# Altium PCB MainBoard_Layout_V2.1.PcbDoc (part 2 of 3) (continued)
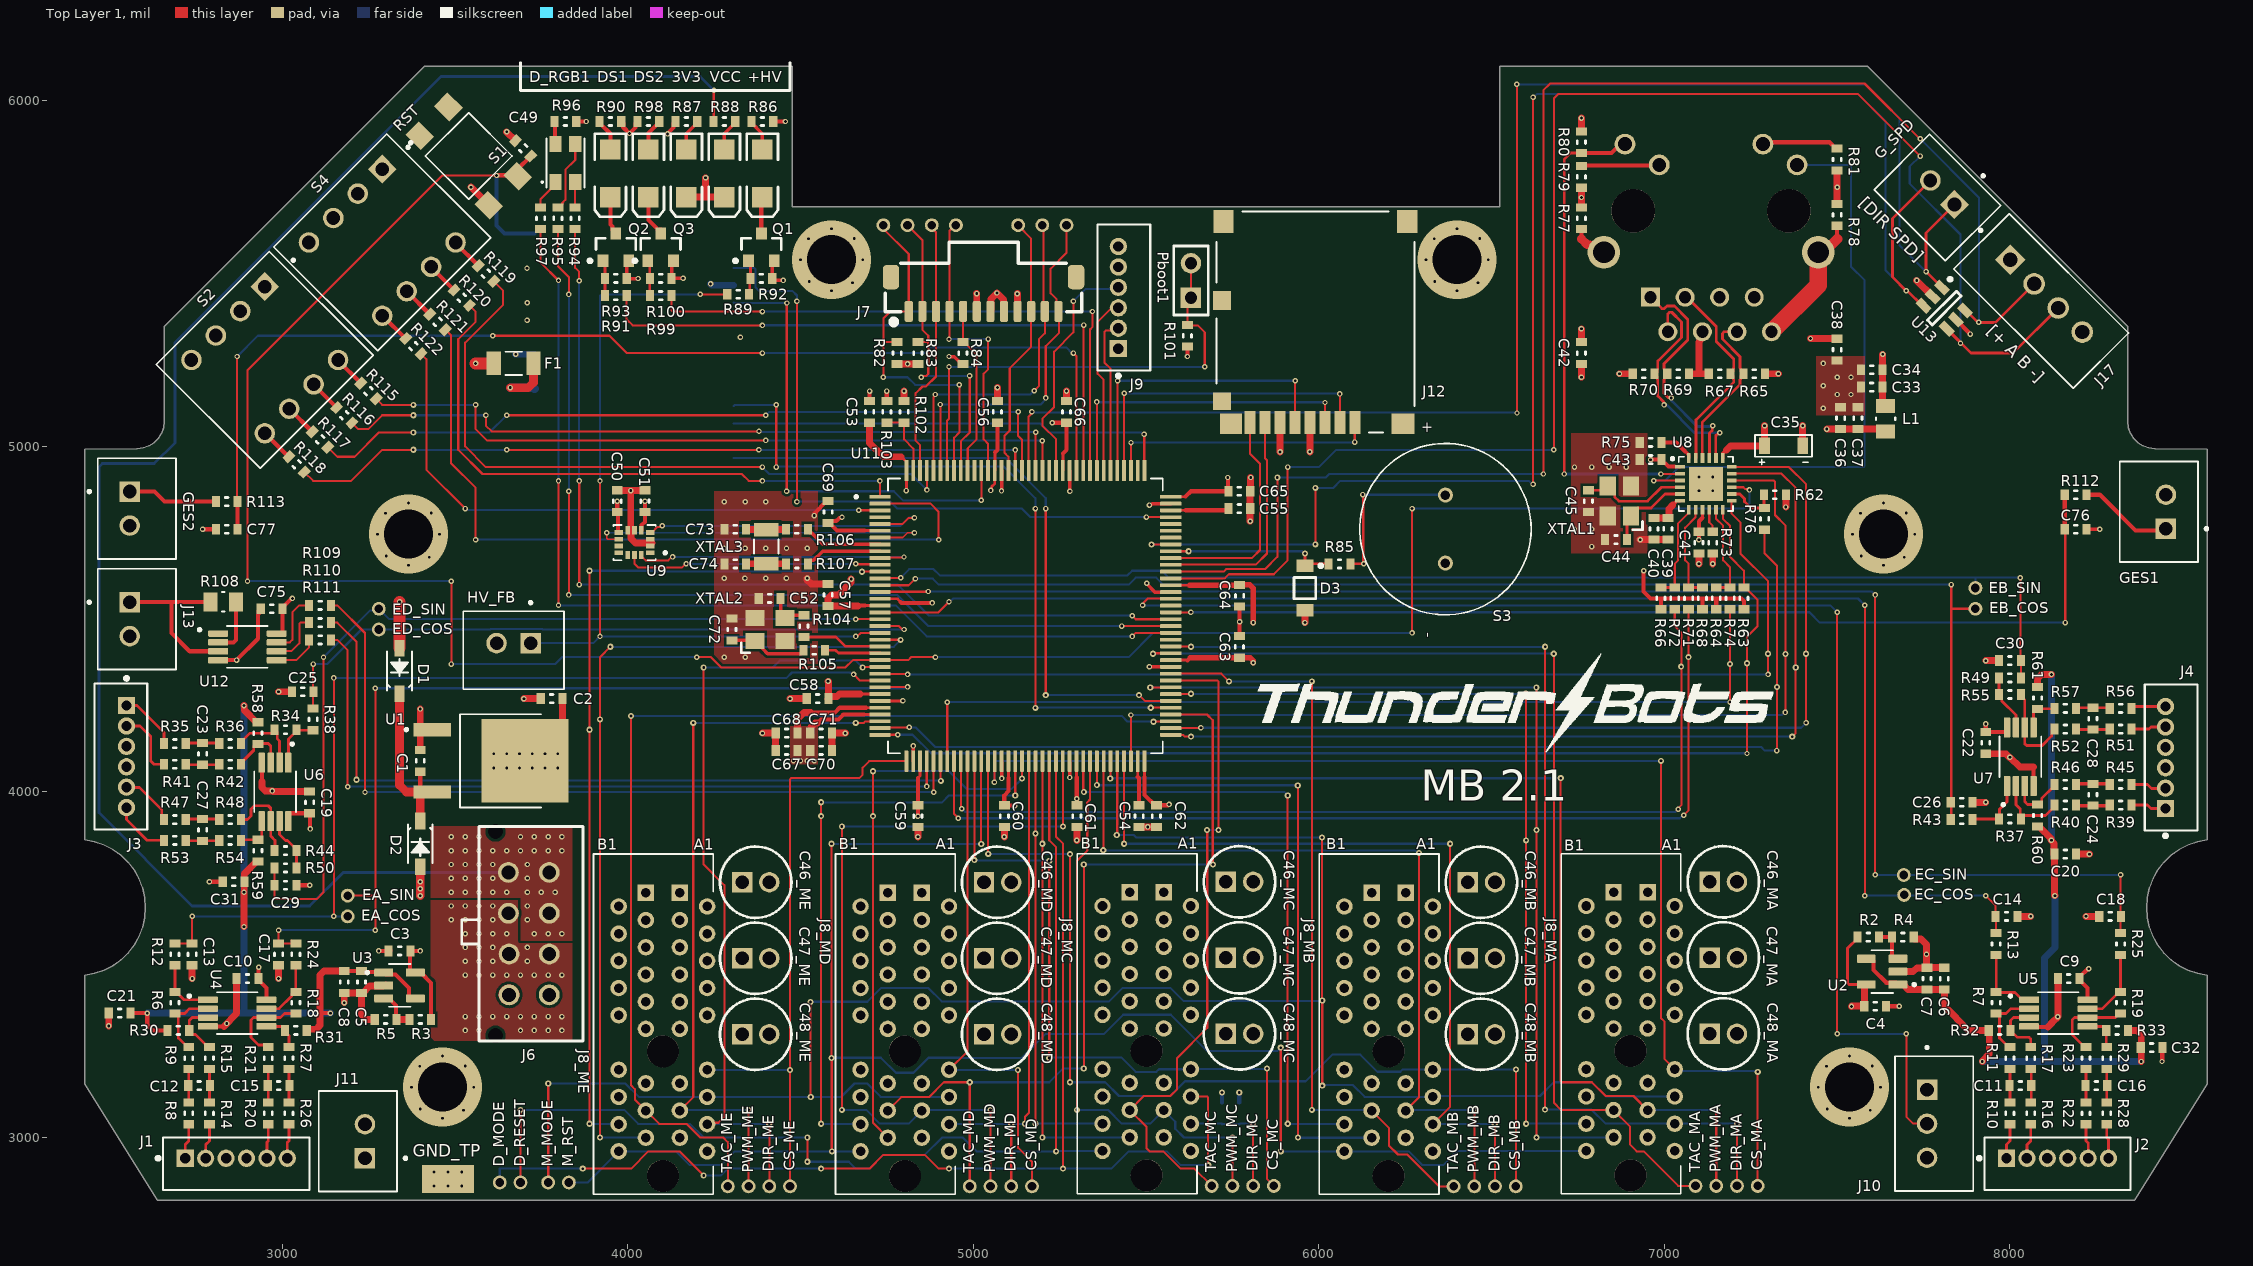
[diagram p0: Top Layer 1 view]
## Nets (pads, with @x,y where several pads share a name; then routed paths per layer and width w, separated by ;. In a path a pad name is that pad's centre, name@x,y a point inside that pad or via, vN(x,y) a via of type N, cw(c..) or ccw(c..) an arc to the next point about the centre after c; other vN are vias at no path point) (continued)
EC_COS: C14.1 EC_COS.1 R13.1 U11.18 | length 4187.1
  Top Layer 1 w6: U11.18@4731.02,4519.84 4731.5,4519.37 4899.37,4519.37 v1(4930,4550) ; v1(7580,3700) v1(7580,4540) ; v1(7930,3700) 7958.5,3671.5 C14.1@7958.5,3640 7960,3638.5 R13.1@7960,3591.5
  Bottom Layer 1 w6: v1(4930,4550) 4932.51,4550 4942.33,4559.81 7560.19,4559.81 v1(7580,4540) ; v1(7580,3700) EC_COS.1@7690,3700 ; EC_COS.1@7690,3702 EC_COS.1@7690,3700 ; v1(7930,3700) EC_COS.1@7690,3700
EC_SIN: C18.1 EC_SIN.1 R25.1 U11.15 | length 4584.9
  Top Layer 1 w6: U11.15@4731.02,4578.9 4731.34,4579.21 4869.21,4579.21 v1(4870,4580) ; v1(7610,3760) v1(7610,4570) ; R25.1@8320,3591.5 8320,3638.5 C18.1@8321.5,3640 8320,3641.5 v1(8320,3760)
  Bottom Layer 1 w6: v1(4870,4580) 7600,4580 v1(7610,4570) ; v1(7610,3760) EC_SIN.1@7690,3760 ; EC_SIN.1@7695.88,3762.59 EC_SIN.1@7693.29,3760 ; v1(8320,3760) EC_SIN.1@7693.29,3760 ; EC_SIN.1@7690,3760 EC_SIN.1@7693.29,3760 ; EC_SIN.1@7690,3760 7690,3756.71 EC_SIN.1@7693.29,3760
ED_COS: C25.1 ED_COS.1 R38.1 U11.20 | length 1953.9
  Top Layer 1 w6: R38.1@3090,4241.5 v1(3090,4370) ; U11.20@4731.26,4480.24 4785,4480.24 4795.23,4470 v1(4800,4470)
  Bottom Layer 1 w6: v1(3090,4370) 3130,4370 3230,4470 3602.76,4470 3603.99,4471.23 3753.4,4471.23 3754.63,4470 v1(4800,4470)
ED_SIN: C29.1 ED_SIN.1 R50.1 U11.19 | length 2599.2
  Top Layer 1 w6: R50.1@2978.5,3780 C29.1@2978.5,3730 2978.5,3693.51 2982.02,3690 3100,3690 3120,3710 v1(3120,4390) ; v1(4660,4500) 4660.08,4500.08 4730.94,4500.08 U11.19@4731.02,4500.16
  Bottom Layer 1 w6: v1(3120,4390) 3255.49,4525.49 3275.49,4525.49 ED_SIN.1@3280,4530 3310,4500 v1(4660,4500)
ENCA_COSN: J1.1 R8.2 | length 102.6
  Top Layer 1 w8: J1.1@2720,2940 2720,2980 2730,2990 R8.2@2730,3038.5
ENCA_COSP: J1.2 R14.2 | length 103
  Top Layer 1 w8: J1.2@2779.06,2940 2779.06,2979.06 2790,2990 R14.2@2790,3038.5
ENCA_SINN: J1.5 R20.2 | length 100.1
  Top Layer 1 w8: J1.5@2956.22,2940 2956.22,2986.22 2960,2990 R20.2@2960,3038.5
ENCA_SINP: J1.6 R26.2 | length 100.5
  Top Layer 1 w8: J1.6@3015.28,2940 3015.28,2985.28 3020,2990 R26.2@3020,3038.5
ENCB_COSN: J4.1 R39.2 | length 102.6
  Top Layer 1 w8: R39.2@8351.5,3961.89 8398.11,3961.89 8408.11,3951.89 J4.1@8450,3951.89
ENCB_COSP: J4.2 R45.2 | length 103.8
  Top Layer 1 w8: R45.2@8351.5,4021.89 8398.11,4021.89 8410,4010 8449.06,4010 J4.2@8450,4010.94
ENCB_SINN: J4.5 R51.2 | length 101.1
  Top Layer 1 w8: R51.2@8351.5,4181.89 8401.89,4181.89 8408.11,4188.11 J4.5@8450,4188.11
ENCB_SINP: J4.6 R56.2 | length 100.7
  Top Layer 1 w8: R56.2@8351.5,4241.89 8356.77,4247.17 J4.6@8450,4247.17
ENCC_COSN: J2.1 R10.2 | length 102.6
  Top Layer 1 w8: J2.1@7990,2940 7990,2980 8000,2990 R10.2@8000,3038.5
ENCC_COSP: J2.2 R16.2 | length 103
  Top Layer 1 w8: J2.2@8049.06,2940 8049.06,2979.06 8060,2990 R16.2@8060,3038.5
ENCC_SINN: J2.5 R22.2 | length 101.1
  Top Layer 1 w8: R22.2@8220,3038.5 8220,2990 8226.22,2983.78 J2.5@8226.22,2940
ENCC_SINP: J2.6 R28.2 | length 100.7
  Top Layer 1 w8: R28.2@8280,3038.5 8280,3000 8285.28,2994.72 J2.6@8285.28,2940
ENCD_COSN: J3.1 R35.2 | length 172.5
  Top Layer 1 w8: J3.1@2550,4250 2580,4250 2658.5,4171.5 R35.2@2658.5,4140
ENCD_COSP: J3.2 R41.2 | length 195.5
  Top Layer 1 w8: J3.2@2550,4190.94 2589.06,4190.94 2620,4160 2620,4090 2630,4080 R41.2@2658.5,4080
ENCD_SINN: J3.5 R47.2 | length 159.9
  Top Layer 1 w8: J3.5@2550,4013.78 2550.78,4013 2587,4013 2652.25,3947.75 2652.25,3926.25 R47.2@2658.5,3920
ENCD_SINP: J3.6 R53.2 | length 168.1
  Top Layer 1 w8: J3.6@2550,3954.72 2550,3920 2610,3860 R53.2@2658.5,3860
FAULT_PWR_BRD: J7.3 PWR_FLT.1 U11.142 | length 750
  Top Layer 1 w6: U11.142@4846.38,4930.47 4846.38,5003.62 4833.61,5016.39 4833.61,5153.61 4853.19,5173.19 4863.19,5173.19 4892.2,5202.2 4892.2,5619.49 4880,5631.69 PWR_FLT.1@4880,5640
FF1_MA: J8_MA.B16 U11.79 | length 2446.3
  Top Layer 1 w6: U11.79@5571.57,4283.15 5572,4283.57 5629.51,4283.57 v2(5629.93,4284) ; v2(6598.97,4283.97) 6599.49,4283.46 6599.49,3040.51 v2(6600,3040)
  Bottom Layer 1 w6: v2(5629.93,4284) v2(6598.97,4283.97) ; v2(6600,3040) J8_MA.B16@6774.09,3040
  other v3: 6600,3860
FF1_MB: J8_MB.B16 U11.63 | length 1798.3
  Top Layer 1 w6: U11.63@5318.43,4089.06 5318.43,4001.83 v2(5320.26,4000) ; v2(5910,3040) v3(5910,3990)
  Bottom Layer 1 w6: v2(5320.26,4000) 5900,4000 v3(5910,3990) ; v2(5910,3040) 5910.63,3039.37 6073.46,3039.37 J8_MB.B16@6074.09,3038.74
FF1_MC: J8_MC.B16 U11.56 | length 1243.4
  Top Layer 1 w6: v2(5180,3040) 5180.31,3040.32 5180.31,4088.74 U11.56@5180.63,4089.06
  Bottom Layer 1 w6: v2(5180,3040) J8_MC.B16@5374.09,3040
  other v3: 5180,3880
FF1_MD: J8_MD.B16 U11.53 | length 1713.9
  Top Layer 1 w6: v2(4560,3040) v2(4560,3970) ; U11.53@5121.57,4089.06 5121.7,4088.93 5121.7,3990.11 v2(5121.82,3989.98)
  Bottom Layer 1 w6: v2(4560,3040) 4561.26,3038.74 J8_MD.B16@4674.09,3038.74 ; v2(4560,3970) 4910,3970 4930,3990 v2(5121.82,3989.98)
  other v3: 4560,3930
FF1_ME: J8_ME.B16 U11.12 | length 2526.4
  Top Layer 1 w6: v2(3890,3040) v3(3890,4180) v2(3890,4640) ; v2(4678.47,4637.3) 4678.56,4637.39 4730.54,4637.39 U11.12@4730.63,4637.48
  Bottom Layer 1 w6: v2(3890,3040) 3891.26,3038.74 J8_ME.B16@3974.09,3038.74 ; v2(3890,4640) 4083.05,4640 4085.75,4637.3 v2(4678.47,4637.3)
FF2_MA: J8_MA.B17 U11.80 | length 2702
  Top Layer 1 w6: v2(5512.35,4302.36) 5512.59,4302.6 5571.34,4302.6 U11.80@5571.57,4302.83 ; v2(6629.45,4302.02) 6629.73,4301.75 6629.73,3000.27 v2(6630,3000)
  Bottom Layer 1 w6: v2(5512.35,4302.36) 5512.52,4302.19 6629.29,4302.19 v2(6629.45,4302.02) ; v2(6630,3000) 6630.63,3000.63 J8_MA.B17@6852.83,3000.63
  other v3: 6630,3890
FF2_MB: J8_MB.B17 U11.65 | length 1882.9
  Top Layer 1 w6: U11.65@5357.8,4089.06 5357.84,4089.01 5357.84,4020.1 v2(5357.88,4020.06) ; v3(5939.13,4018.61) 5939.57,4018.18 5939.57,3000.43 v2(5940,3000)
  Bottom Layer 1 w6: v2(5357.88,4020.06) 5358.61,4019.34 5938.41,4019.34 v3(5939.13,4018.61) ; v2(5940,3000) 5940.63,2999.37 J8_MB.B17@6152.83,2999.37
FF2_MC: J8_MC.B17 U11.57 | length 1342.3
  Top Layer 1 w6: v2(5200,3000) 5200.16,3000.16 5200.16,4088.9 U11.57@5200.31,4089.06
  Bottom Layer 1 w6: v2(5200,3000) 5200.31,3000.32 5452.52,3000.32 J8_MC.B17@5452.83,3000.63
  other v3: 5200,3850
FF2_MD: J8_MD.B17 U11.54 | length 1594.3
  Top Layer 1 w6: v2(4710,4060) 4710,3042.2 J8_MD.B17@4752.83,2999.37 ; v2(5141.2,4038.59) U11.54@5141.23,4089.02
  Bottom Layer 1 w6: v2(4710,4060) 4930,4060 4982.09,4007.91 5110.51,4007.91 v2(5141.2,4038.59)
  other v3: 4710,3930
FF2_ME: J8_ME.B17 U11.22 | length 2473.4
  Top Layer 1 w6: v2(3920,3000) 3920,4390 v2(3950,4420) ; U11.22@4730.63,4440.63 4730.94,4440.31 4789.69,4440.31 v2(4790,4440)
  Bottom Layer 1 w6: v2(3920,3000) 3920.31,2999.69 4052.52,2999.69 J8_ME.B17@4052.83,2999.37 ; v2(3950,4420) 4770,4420 v2(4790,4440)
  other v3: 3920,4210
GEN_DIR: G_SPD.1 U11.126 U13.1 | length 4522.8
  Top Layer 1 w6: U11.126@5160.94,4930 5160,4930.94 5160,5085.23 5170,5095.23 v1(5170,5100) ; v1(6572.74,6047.52) 6573.12,6047.13 6573.12,5096.88 v1(6573.51,5096.49) ; 7787.04,5647.45 G_SPD.1@7839.41,5699.82
  Top Layer 1 w8: U13.1@7803.04,5459.85 v1(7757.2,5505.72) 7757.2,5617.6 G_SPD.1@7839.41,5699.82 ; G_SPD.1@7839.41,5736.14 G_SPD.1@7840,5736.73
  Bottom Layer 1 w6: v1(5170,5100) 5171.76,5098.24 6571.76,5098.24 v1(6573.51,5096.49) ; v1(6572.74,6047.52) 7582.48,6047.52 7680,5950 7680,5582.66 7756.93,5505.72 v1(7757.2,5505.72)
GEN_ES1: C76.1 R112.2 U11.91 | length 2971.7
  Top Layer 1 w6: U11.91@5571.57,4519.37 5629.37,4519.37 v1(5630,4520) ; C76.1@8158.5,4760 8160,4758.5 v1(8160,4490)
  Top Layer 1 w12: C76.1@8158.5,4760 R112.2@8158.5,4860
  Bottom Layer 1 w6: v1(5630,4520) 7420,4520 7450,4490 v1(8160,4490)
GEN_ES1_UNFILT: GES1.1 R112.1 | length 278.8
  Top Layer 1 w12: R112.1@8221.5,4860 8260,4860 8363.39,4756.61 GES1.1@8457.5,4756.61
GEN_ES2: C77.1 R113.2 U11.119 | length 3323.3
  Top Layer 1 w6: v1(2870,5260) 2870,4841.5 R113.2@2871.5,4840 ; v1(3610,5320) 3947.68,5320 3997.68,5270 v1(4390,5270) ; v1(5290,5270) 5298.74,5261.26 U11.119@5298.74,4930
  Top Layer 1 w12: C77.1@2871.5,4760 R113.2@2871.5,4840
  Bottom Layer 1 w6: v1(2870,5260) 2930,5320 v1(3610,5320) ; v1(4390,5270) 4860,5270 4876.27,5286.27 5268.96,5286.27 5285.23,5270 v1(5290,5270)
GEN_ES2_UNFILT: GES2.1 R113.1 | length 261.3
  Top Layer 1 w12: GES2.1@2559.33,4869.21 2630.79,4869.21 2660,4840 R113.1@2808.5,4840
GEN_SPD: G_SPD.2 U11.101 U13.3 | length 4478
  Top Layer 1 w6: v2(5515.9,4716.1) 5516.01,4716.22 U11.101@5571.57,4716.22 ; v2(5990,4880) 5990.07,4879.93 5990.07,4716.48 v2(5990.14,4716.41) ; v1(6620,4890) v1(6620,6010)
  Top Layer 1 w8: U13.3@7750.15,5406.96 7746.46,5406.96 7703.54,5449.88 v1(7699.85,5449.88) 7660,5489.73 7660,5659.6 G_SPD.2@7769.82,5769.41
  Bottom Layer 1 w6: v2(5515.9,4716.1) 5516.05,4716.26 5989.99,4716.26 v2(5990.14,4716.41) ; v2(5990,4880) 6042.6,4880 6062.6,4900 6607.67,4900 6617.67,4890 v1(6620,4890) ; v1(6620,6010) 6622.33,6010 6632.33,6020 7560,6020 7640,5940 7640,5509.73 v1(7699.85,5449.88)
GENENC_A: J17.2 U11.97 U13.6 | length 4467
  Top Layer 1 w6: U11.97@5571.57,4637.48 5724.46,4637.48 5731.93,4644.95 5844.95,4644.95 5880,4680 v2(5880,4910) ; v1(6650,4920) 6650,6030 6670,6050 7579.17,6050 7739.17,5890 v1(7740,5890)
  Top Layer 1 w8: U13.6@7869.85,5393.04 7872.77,5393.04 7907.1,5358.71 7958.71,5358.71 J17.2@8070,5470
  Bottom Layer 1 w6: v2(5880,4910) 6020,4910 6030,4920 v1(6650,4920) ; v1(7740,5890) 7910.06,5719.94 7910.06,5358.75 v1(7910.02,5358.71)
GENENC_B: J17.3 U11.96 U13.4 | length 4598.1
  Top Layer 1 w6: U11.96@5571.57,4617.8 5727.8,4617.8 5740,4630 5870,4630 5910,4670 v1(5910,4940) ; v1(6680,4990) 6680,6006.49 6693.51,6020 7560,6020 v1(7740,5840)
  Top Layer 1 w8: U13.4@7816.96,5340.15 7887.11,5270 8009.19,5270 J17.3@8139.6,5400.4
  Bottom Layer 1 w6: v1(5910,4940) 6000,4940 6050,4990 v1(6680,4990) ; v1(7740,5840) 7710,5810 7710,5760 7856.9,5613.1 v1(7856.9,5298.26)
GND: 3V3.2 C1.2 C2.2 C3.2 C4.2 C5.2 C6.2 C7.2 C8.2 C9.2 C10.2 C13.2 C14.2 C17.2 C18.2 C19.2 C20.2 C21.1 C22.2 C25.2 C26.2 C29.2 C30.2 C31.2 C32.2 C33.1 C34.1 C35.2 C36.1 C37.1 C38.2 C39.1 C40.1 C41.1 C42.1 C43.1 C44.1 C45.1 C46_MA.2 C46_MB.2 C46_MC.2 C46_MD.2 C46_ME.2 C47_MA.2 C47_MB.2 C47_MC.2 C47_MD.2 C47_ME.2 C48_MA.2 C48_MB.2 C48_MC.2 C48_MD.2 C48_ME.2 C49.1 C50.1 C51.1 C52.2 C53.1 C54.2 C55.2 C56.1 C57.1 C58.1 C59.1 C60.1 C61.1 C62.1 C63.1 C64.1 C65.1 C66.1 C67.1 C68.1 C69.1 C70.1 C71.1 C72.2 C73.2 C74.2 C75.2 C76.2 C77.2 D3.2 GES1.2 GES2.2 GND_TP.1 J1.3 J2.3 J3.3 J4.3 J6.3 J6.6 J6.7 J7.6 J7.9 J8_MA.B1 J8_MA.B2 J8_MA.B3 J8_MA.B4 J8_MA.B5 J8_MA.B6 J8_MA.B7 J8_MA.B8 J8_MA.B9 J8_MA.B10 J8_MA.B11 J8_MB.B1 J8_MB.B2 J8_MB.B3 J8_MB.B4 J8_MB.B5 J8_MB.B6 J8_MB.B7 J8_MB.B8 J8_MB.B9 J8_MB.B10 J8_MB.B11 J8_MC.B1 J8_MC.B2 J8_MC.B3 J8_MC.B4 J8_MC.B5 J8_MC.B6 J8_MC.B7 J8_MC.B8 J8_MC.B9 J8_MC.B10 J8_MC.B11 J8_MD.B1 J8_MD.B2 J8_MD.B3 J8_MD.B4 J8_MD.B5 J8_MD.B6 J8_MD.B7 J8_MD.B8 J8_MD.B9 J8_MD.B10 J8_MD.B11 J8_ME.B1 J8_ME.B2 J8_ME.B3 J8_ME.B4 J8_ME.B5 J8_ME.B6 J8_ME.B7 J8_ME.B8 J8_ME.B9 J8_ME.B10 J8_ME.B11 J9.5 J10.3 J11.2 J12.6 J13.2 J17.4 Q1.2 Q2.2 Q3.2 R4.1 R5.1 R73.2 R75.1 R77.2 R78.2 R79.2 R80.2 R81.2 R92.2 R93.2 R100.2 R101.2 R102.2 R114.1 S1.2 S2.1A S2.2A S2.3A S2.4A S3.N S4.1A S4.2A S4.3A S4.4A U1.1 U2.2 U3.2 U4.4 U5.4 U6.4 U7.4 U8.25 U9.2 U9.3 U9.6 U9.7 U10.5 U10.8 U10.24 U10.26 U10.27 U10.29 U11.16 U11.31 U11.38 U11.51 U11.61 U11.83 U11.94 U11.107 U11.120 U11.130 U12.4 U13.2 VCC.2 XTAL1.2 XTAL1.4 XTAL2.2 XTAL2.4 | length 5633.1
  Top Layer 1 w8: U11.31@4730.63,4263.46 4795.76,4263.46 v1(4796.55,4264.25) ; U11.16@4730.63,4558.74 4781.26,4558.74 4790,4550
  Top Layer 1 w10: Q2.2@4003.2,5536.82 3997.3,5530.91 R93.2@3997.3,5486.19 3997.86,5485.62 v1(4030.16,5485.62) ; Q3.2@4133.2,5536.82 4127.3,5530.91 R100.2@4127.3,5486.19 4127.4,5486.29 v1(4160.51,5486.29) ; Q1.2@4424.28,5536.82 4418.38,5530.91 R92.2@4418.38,5486.19 4424.57,5480 v1(4450,5480) ; U11.38@4826.3,4089.06 v1(4826.28,4133.24) ; v1(5081.84,4870.99) 5082.02,4871.17 5082.02,4929.82 U11.130@5082.2,4930 ; U11.51@5082.2,4089.06 5082.39,4088.87 5082.39,4039.3 v1(5082.58,4039.11) ; U11.61@5279.06,4089.06 5279.25,4088.86 5279.25,4042.04 v1(5279.45,4041.84) ; v1@5279.06,4870.94 U11.120@5279.06,4930 ; v1(5501.94,4603.96) 5501.94,4602.35 5525.87,4578.43 U11.94@5571.57,4578.43 ; v1(5509.86,4362.14) 5509.98,4362.01 5571.45,4362.01 U11.83@5571.57,4361.89 ; v1(5510,4830) 5513.69,4830 5518.09,4834.4 5571.5,4834.4 U11.107@5571.57,4834.33 ; C76.2@8221.5,4760 v1(8260,4760)
  Top Layer 1 w12: v1(2770,4760) C77.2@2808.5,4760 ; U4.4@2785.35,3321.61 2831.61,3321.61 ; v1(2790,3740) C31.2@2828.5,3740 ; U12.4@2815.35,4381.61 v1(2868.39,4381.61) 2930,4443.23 2930,4513.22 2932.69,4515.92 2932.69,4524.19 C75.2@2938.5,4530 ; 2941.61,4030 U6.4@2941.61,4084.65 ; C29.2@3041.5,3730 v1(3080,3730) ; v1(3280,3540) C3.2@3308.5,3540 ; U3.2@3294.13,3440 U3.2@3299.94,3445.81 ; C3.2@3308.5,3547 C3.2@3314.32,3541.19 ; v1(4540,4799.62) 4540.72,4800.34 4540.72,4806.15 4576.06,4841.5 C69.1@4580,4841.5 ; C53.1@4700,5131.5 v1(4700,5160) ; 4790,4550 4793.01,4546.99 v1(4881.84,4546.99) ; v1(5620,5260) R101.2@5620,5288.5 ; C63.1@5770,4451.5 5770.57,4452.06 5770.57,4492.08 v1(5770.66,4492.17) ; v1@5770.83,4492.34 5770.83,4535.94 C64.1@5771,4536.12 ; C4.2@7641.5,3380 v1(7680,3380) ; U5.4@8055.35,3321.61 8056.97,3320 8110,3320 ; U7.4@8068.39,4017.24 8068.39,4071.61 ; v1(8440,3220) 8440.75,3220.75 8440.75,3259.25 C32.2@8441.5,3260
  Top Layer 1 w20: v1(2498.5,3322.94) C21.1@2498.5,3360 ; v1(2740,3460) C13.2@2740,3498.5 ; 2831.61,3321.61 2868.5,3358.5 C10.2@2868.5,3460 ; 2941.61,4030 2941.61,4012.9 2951.53,4002.98 v1(2971.9,4002.98) ; v1@2972.88,4002.98 2974.37,4001.5 C19.2@3080,4001.5 ; v1(2990,3460) C17.2@2990,3498.5 ; v1(2990,4290) C25.2@3028.5,4290 ; v1(3180,3390) C8.2@3180,3418.5 C5.2@3230,3418.5 ; R5.1@3268.5,3341.81 3243.53,3341.81 3230,3355.34 C5.2@3230,3418.5 ; U3.2@3294.13,3440 3292.32,3438.19 3253.62,3438.19 3233.94,3418.5 C5.2@3230,3418.5 ; C1.2@3400,4121.5 3400,4170.71 U1.1@3409.29,4180 ; v1(3400,4240) 3400,4189.29 U1.1@3409.29,4180 ; U1.1@3435,4180 U1.1@3409.29,4180 ; v1(3546.48,5750) S1.2@3598.46,5698.02 ; v1(3650,5910) C49.1@3675.46,5884.54 ; v1(3700,4270) C2.2@3748.5,4270 ; C50.1@3970,4872.99 3970.53,4872.46 4008.47,4872.46 v1(4009,4871.93) ; C51.1@4040,4872.99 4039.63,4872.62 4009.7,4872.62 v1(4009,4871.93) ; 4070,4720 4023.21,4720 4010,4733.21 4010,4757.32 4009,4758.32 v1(4009,4871.93) ; 3V3.2@4170,5721.1 4224.33,5721.1 ; v1(4225.57,5777.12) 4225.57,5722.34 4224.33,5721.1 ; VCC.2@4280,5721.1 4224.33,5721.1 ; v1(4390,4170) C68.1@4428.5,4170 C67.1@4428.5,4120 ; v1(4470,4270) C58.1@4518.5,4270 ; v1(4519.5,4618.07) 4519.5,4613.83 4531.84,4601.5 C57.1@4580,4601.5 ; C70.1@4591.5,4120 C71.1@4591.5,4170 v1(4630,4170) ; R102.2@4800,5131.5 v1(4800,5160) ; v1(4840,3870) C59.1@4840,3898.5 ; v1(5010.08,5442.04) 5010.2,5441.93 5010.2,5390.71 J7.6@5010.31,5390.59 ; C56.1@5070,5131.5 v1(5070,5170) ; v1(5090,3870) C60.1@5090,3898.5 ; v1(5127.84,5441.84) 5128.13,5441.55 5128.13,5390.88 J7.9@5128.42,5390.59 ; C66.1@5270,5131.5 v1(5270,5160) ; v1(5300,3860) C61.1@5300,3898.5 ; C54.2@5480,3898.5 C62.1@5530,3898.5 ; v1(5801.57,4783.21) 5801.5,4783.29 C65.1@5801.5,4870 5802.14,4870.64 5802.14,4909.17 v1(5802.78,4909.81) ; J12.6@5887.6,5069.17 5887.76,5069.01 5887.76,4983.92 v1(5887.92,4983.76) ; v1(5960,4490) D3.2@5960,4525.63 ; v1(6760,5200) C42.1@6760,5238.5 ; R77.2@6760,5692.99 v1(6760,5720) R79.2@6760,5748.5 ; R80.2@6760,5911.5 v1(6760,5950) ; v1(6930,4730) C40.1@6970,4730 C39.1@7010,4730 ; v1(7100,4660) C41.1@7100,4690 ; v1(7140,4660) R73.2@7140,4690 ; v1(7400,5060) 7400.24,5059.76 C35.2@7400.24,5001.5 ; R78.2@7500,5701.5 R81.2@7500,5798.5 ; U2.2@7675.87,3480 7720,3480 7730.76,3490.76 7759.26,3490.76 C7.2@7760,3491.5 ; R4.1@7721.5,3580 7721.5,3576.06 7723.31,3574.25 7742.54,3574.25 7758.45,3558.34 v1(7758.45,3530) 7758.45,3493.05 C7.2@7760,3491.5 ; v1(7730,5480) U13.2@7776.59,5433.41 ; C6.2@7810,3491.5 C7.2@7760,3491.5 ; C26.2@7891.5,3970 v1(7930,3970) ; C22.2@7930,4110.39 7988.63,4110.39 7999.02,4100 v1(8000,4100) 8028.39,4071.61 8068.39,4071.61 ; v1(7930,4380) C30.2@7968.5,4380 ; C14.2@8021.5,3640 v1(8060,3640) ; 8110,3320 8123.53,3333.53 8123.53,3333.97 8138.36,3348.8 v1(8138.36,3349.78) 8138.43,3349.85 8138.43,3459.93 C9.2@8138.5,3460 ; C20.2@8191.5,3820 v1(8230,3820) ; v1(8220,3640) C18.2@8258.5,3640
  Bottom Layer 1 w12: R114.1@5720,3101.5 v2(5720,3130)
  Bottom Layer 1 w20: v1(3675.97,5266.62) 3676.18,5266.4 3730.28,5266.4 U10.24@3730.5,5266.19 ; v1(4240,5470) 4243.81,5466.19 U10.5@4306.88,5466.19
  other v1: 3440,2860 3480,2860 3520,2860 3440,2900 3480,2900 3520,2900 3530,3310 3570,3310 3690,3310 3730,3310 3770,3310 3810,3310 2840,3330 3530,3350 3570,3350 3610,3350 3650,3350 3690,3350 3730,3350 3770,3350 3810,3350 3530,3470 3570,3470 3610,3470 3650,3470 3690,3470 3730,3470 3770,3470 3810,3470 3530,3510 3570,3510 3610,3510 3710,3510 3530,3550 3570,3550 3610,3550 3710,3550 3530,3590 3570,3590 3610,3590 3650,3590 3490,3630 3530,3630 3570,3630 3610,3630 3490,3670 3530,3670 3570,3670 3610,3670 5505.04,3898.75 4280,4390 4340,4390 4279.5,4618.07 4339.5,4618.07 4399.5,4618.07 4459.5,4618.07 4279.79,4705.07 4339.79,4705.07 4399.79,4705.07 4459.79,4705.07 4519.79,4705.07 6790,4710 6740,4760 6790,4760 4280,4840 4340,4840 4400,4840 5280,4870 7100,4871.5 7140,4871.5 7100,4911.5 7140,4911.5 6740,4940 6790,4940 6840,4940 6890,4940 7460,5110 7500,5150 7540,5150 7460,5175 7500,5200 7540,5200 7460,5240 4326.49,5315.59 3709.01,5364.84 3709.5,5415.61 3708.85,5515.06 7500,5750
KICK_PWR_BRD: J7.12 KICK.1 U11.139 | length 1050.4
  Top Layer 1 w6: v1(4904.47,5121.06) 4904.75,5120.77 U11.139@4904.75,4931.2 ; v1(5210,5140) 5210,5290 5247.75,5327.75 5247.75,5389.37 5241.49,5395.64 5241.49,5425.13 5223.96,5442.66 5223.96,5513.96 5270,5560 KICK.1@5270,5640
  Bottom Layer 1 w6: v1(4904.47,5121.06) 5195.27,5121.06 5210,5135.79 v1(5210,5140)
LA: J5.9 R80.1 U8.2 | length 1440
  Top Layer 1 w6: v1(6990,4920) 6990.51,4920.51 7044.69,4920.51 U8.2@7045.2,4921.02
  Top Layer 1 w8: v1(6710,4920) 6710,5830 6728.5,5848.5 R80.1@6760,5848.5
  Top Layer 1 w12: R80.1@6760,5848.5 6847.03,5848.5 6872.93,5874.41 J5.9@6885.98,5874.41
  Bottom Layer 1 w8: v1(6710,4920) v1(6990,4920)
LAN_VDD1A: C35.1 C36.2 C37.2 C38.1 C42.2 C43.2 J5.4 J5.5 L1.2 R65.1 R67.1 R69.1 R70.1 U8.1 U8.19 | length 846
  Top Layer 1 w10: 7030,4941.5 7030.79,4940.71 U8.1@7045.2,4940.71 ; U8.19@7169.21,4966.3 7169.53,4966.61 7169.53,4979.53 7180,4990
  Top Layer 1 w12: v1(6960,4961.5) C43.2@6991.5,4961.5 6991.5,4957.56 6997.31,4951.75 7001.24,4951.75 7011.5,4941.5 7030,4941.5
  Top Layer 1 w20: C42.2@6760,5301.5 v1(6760,5340) ; v1(6870,5210) R69.1@6908.5,5210 ; R70.1@7071.5,5210 7100,5210 ; J5.4@7110,5331.5 7103.3,5324.79 7103.3,5305.56 7100,5302.26 7100,5210 ; R67.1@7128.5,5210 7100,5210 ; 7180,4990 7191.5,5001.5 C35.1@7290,5001.5 v1(7290,5060) ; R65.1@7291.5,5210 v1(7330,5210) ; v1(7422.8,5312.03) 7423.34,5311.5 C38.1@7500,5311.5 ; v1(7470,5050) C36.2@7510,5050 C37.2@7560,5050 7633,5050 L1.2@7640,5043
LC: J5.10 R79.1 | length 226.3
  Top Layer 1 w12: R79.1@6760,5811.5 6761.54,5813.03 6983.46,5813.03 J5.10@6985,5814.57
MODE_MA: J8_MA.A14 J8_MB.A14 J8_MD.A14 J8_ME.A14 M_MODE.1 U11.68 | length 5914.9
  Top Layer 1 w6: M_MODE.1@3770,2870 3770.25,2870.25 3770.25,3155.76 v2(3770.5,3156.01) ; v2(4529.12,3392.4) 4529.51,3392.01 4529.51,3117.7 v2(4529.89,3117.31) ; v2(5415.51,3875.51) 5416.85,3876.85 U11.68@5416.85,4089.06 ; v2(6009.31,3868.09) 6009.66,3867.74 6009.66,3396.84 v2(6010.01,3396.49) v2(6010,3150)
  Bottom Layer 1 w6: v2(3770.5,3156.01) 3770.86,3156.37 3993.63,3156.37 4032.52,3117.48 J8_ME.A14@4230,3117.48 4230.08,3117.4 4529.81,3117.4 v2(4529.89,3117.31) 4617.31,3117.31 4656.44,3156.44 4693.56,3156.44 4732.52,3117.48 J8_MD.A14@4930,3117.48 ; v2(4529.12,3392.4) 4529.53,3392.81 4693.32,3392.81 4732.75,3432.24 4870.58,3432.24 4909,3393.82 5393.52,3393.82 5432.96,3433.26 5570.16,3433.26 5608.1,3395.31 6008.84,3395.31 v2(6010.01,3396.49) ; v2(5415.51,3875.51) 5464.49,3875.51 5471.91,3868.09 v2(6009.31,3868.09) ; v2(6010,3150) 6012.13,3152.13 6097.87,3152.13 6132.52,3117.48 J8_MB.A14@6330,3117.48 6332.52,3120 6640,3120 6680,3160 6790,3160 6831.26,3118.74 J8_MA.A14@7030,3118.74
MOTOR_A_PWM: J8_MA.A15 PWM_MA.1 U11.67 | length 2935.8
  Top Layer 1 w6: v2(5396.43,4039.09) 5396.8,4039.45 5396.8,4088.69 U11.67@5397.17,4089.06 ; v2(6700,4040) 6700,3163.51 6703.51,3160 6790,3160 6830,3120 6910.63,3120 J8_MA.A15@6951.26,3079.37 ; PWM_MA.1@7150,2860 v2(7150,3080)
  Bottom Layer 1 w6: v2(5396.43,4039.09) 5396.89,4039.54 6699.54,4039.54 v2(6700,4040) ; J8_MA.A15@6951.26,3079.37 6951.57,3079.69 7149.69,3079.69 v2(7150,3080)
MOTOR_A_TACHO: J8_MA.B15 TAC_MA.1 U11.85 | length 3052
  Top Layer 1 w6: v2(5520,4400) 5521.26,4401.26 U11.85@5571.5,4401.26 ; U11.85@5571.57,4401.26 U11.85@5571.5,4401.26 ; U11.85@5571.97,4401.73 U11.85@5571.5,4401.26 ; v2(6680,4400) 6680,3101.26 6701.89,3079.37 J8_MA.B15@6852.83,3079.37 6900,3032.2 6900,2980 6920,2960 6940,2960 7040,2860 TAC_MA.1@7090,2860
  Bottom Layer 1 w6: v2(5520,4400) v2(6680,4400)
MOTOR_B_PWM: J8_MB.A15 PWM_MB.1 U11.66 | length 2357.1
  Top Layer 1 w6: v2(5376.33,3831.37) 5377.48,3832.52 U11.66@5377.48,4089.06 ; J8_MB.A15@6251.26,3078.11 6290,3116.85 v2(6290,3823.14) ; PWM_MB.1@6450,2858.74 v2(6450,3080)
  Bottom Layer 1 w6: v2(5376.33,3831.37) 5377.2,3830.5 6279.47,3830.5 6286.83,3823.14 v2(6290,3823.14) ; J8_MB.A15@6251.26,3078.11 6253.15,3080 v2(6450,3080)
MOTOR_B_TACHO: J8_MB.B15 TAC_MB.1 U11.82 | length 2194.4
  Top Layer 1 w6: U11.82@5571.57,4342.2 5717.8,4342.2 v2(5740,4320) ; v2(5980,3080) v2(5980,4320) ; J8_MB.B15@6152.83,3078.11 6161.89,3078.11 6161.89,3069.06 6202.92,3028.02 6202.92,2977.08 6229.19,2950.81 6255.65,2950.81 6347.72,2858.74 TAC_MB.1@6390,2858.74
  Bottom Layer 1 w6: v2(5740,4320) v2(5980,4320) ; v2(5980,3080) 5980.94,3079.06 6151.89,3079.06 J8_MB.B15@6152.83,3078.11
MOTOR_C_PWM: J8_MC.A15 PWM_MC.1 U11.64 | length 1692.7
  Top Layer 1 w6: v2(5300,3080) 5300,3800 5330,3830 5330,3970 5338.11,3978.11 U11.64@5338.11,4089.06 ; PWM_MC.1@5750,2860 v2(5750,3000)
  Bottom Layer 1 w6: v2(5300,3080) 5390,3080 5430,3040 5511.89,3040 J8_MC.A15@5551.26,3079.37 5584.61,3046.02 5584.61,3025.39 5610,3000 v2(5750,3000)
MOTOR_C_TACHO: J8_MC.B15 TAC_MC.1 U11.81 | length 1915.9
  Top Layer 1 w6: U11.81@5571.57,4322.52 5706.49,4322.52 5710,4319 v2(5710,3890) ; v2(5676.28,3890) 5677.27,3889.01 5677.27,3317.27 5590,3230 5590,3140 5570,3120 5493.46,3120 J8_MC.B15@5452.83,3079.37 5501.71,3030.49 5501.71,2968.29 5510,2960 5550,2960 5600,2910 5640,2910 TAC_MC.1@5690,2860
  Bottom Layer 1 w6: v2(5676.28,3890) v2(5710,3890)
MOTOR_D_PWM: J8_MD.A15 PWM_MD.1 U11.60 | length 2333.7
  Top Layer 1 w6: v2(4620,3080) v2(4620,3900) ; PWM_MD.1@5050,2858.74 v2(5050,3080) ; U11.60@5259.37,4089.06 5259.69,4088.74 5259.69,3900.31 v2(5260,3900)
  Bottom Layer 1 w6: v2(4620,3080) 4690,3080 4730,3040 4813.15,3040 J8_MD.A15@4851.26,3078.11 4852.2,3079.06 5049.06,3079.06 v2(5050,3080) ; v2(4620,3900) v2(5260,3900)
MOTOR_D_TACHO: J8_MD.B15 TAC_MD.1 U11.76 | length 2429.4
  Top Layer 1 w6: J8_MD.B15@4752.83,3078.11 4791.71,3116.98 4872.17,3116.98 4915.18,3160 v2(4990,3160) TAC_MD.1@4990,2858.74 ; v2(5320,3200) v2(5320,3790) ; U11.76@5571.57,4224.09 5676.49,4224.09 5693.14,4207.44 5693.14,3790.99 v2(5694.13,3790)
  Bottom Layer 1 w6: v2(4990,3160) 5220,3160 5260,3200 v2(5320,3200) ; v2(5320,3790) v2(5694.13,3790)
MOTOR_E_PWM: J8_ME.A15 PWM_ME.1 U11.34 | length 2101.2
  Top Layer 1 w6: J8_ME.A15@4151.26,3078.11 4190,3116.85 v2(4190,4200) ; PWM_ME.1@4350,2858.74 v2(4350,3080) ; v2(4660,4200) 4683.22,4200 4687.63,4204.41 U11.34@4730.63,4204.41
  Bottom Layer 1 w6: J8_ME.A15@4151.26,3078.11 4152.2,3079.06 4349.06,3079.06 v2(4350,3080) ; v2(4190,4200) v2(4660,4200)
MOTOR_E_TACHO: J8_ME.B15 TAC_ME.1 U11.75 | length 3131.5
  Top Layer 1 w6: v2(4010,4220) 4010,3150.68 4020.94,3139.73 4020.94,3110 J8_ME.B15@4052.83,3078.11 4091.21,3039.73 4170.27,3039.73 4210,3000 4276.49,3000 4290,2986.49 TAC_ME.1@4290,2858.74 ; v2(5521.62,4203.23) 5522.21,4203.82 5570.99,4203.82 U11.75@5571.57,4204.41
  Bottom Layer 1 w6: v2(4010,4220) 5430,4220 5446.22,4203.78 5521.07,4203.78 v2(5521.62,4203.23)
Net3V3_1: 3V3.1 R87.1 | length 94.1
  Top Layer 1 w10: 3V3.1@4170,5858.9 4170,5904.57 4201.5,5936.06 R87.1@4201.5,5940
Net+HV_1: +HV.1 R86.1 | length 94.1
  Top Layer 1 w10: R86.1@4358.5,5940 4358.5,5936.06 4390,5904.57 +HV.1@4390,5858.9
Net+HV_2: +HV.2 Q1.3 | length 106.8
  Top Layer 1 w12: Q1.3@4386.88,5615.56 4386.88,5717.98 +HV.2@4390,5721.1
NetC11_1: C11.1 R10.1 R11.2 | length 97
  Top Layer 1 w8: R10.1@8000,3101.5 R11.2@8000,3198.5
NetC11_2: C11.2 R16.1 R17.2 | length 98.2
  Top Layer 1 w8: R16.1@8060,3101.5 8061.5,3102.99 C11.2@8061.5,3150 8061.5,3197.01 R17.2@8060,3198.5
NetC12_1: C12.1 R8.1 R9.2 | length 97
  Top Layer 1 w8: R8.1@2730,3101.5 R9.2@2730,3198.5
NetC12_2: C12.2 R14.1 R15.2 | length 97
  Top Layer 1 w8: R14.1@2790,3101.5 R15.2@2790,3198.5
NetC15_1: C15.1 R20.1 R21.2 | length 97
  Top Layer 1 w8: R20.1@2960,3101.5 R21.2@2960,3198.5
NetC15_2: C15.2 R26.1 R27.2 | length 97
  Top Layer 1 w8: R26.1@3020,3101.5 R27.2@3020,3198.5
NetC16_1: C16.1 R22.1 R23.2 | length 98.2
  Top Layer 1 w8: R22.1@8220,3101.5 8220,3148.5 C16.1@8218.5,3150 8220,3151.5 R23.2@8220,3198.5
NetC16_2: C16.2 R28.1 R29.2 | length 98.2
  Top Layer 1 w8: R28.1@8280,3101.5 8280,3148.5 C16.2@8281.5,3150 8280,3151.5 R29.2@8280,3198.5